# KiCad board kup-lulz.kicad_pcb (continued)
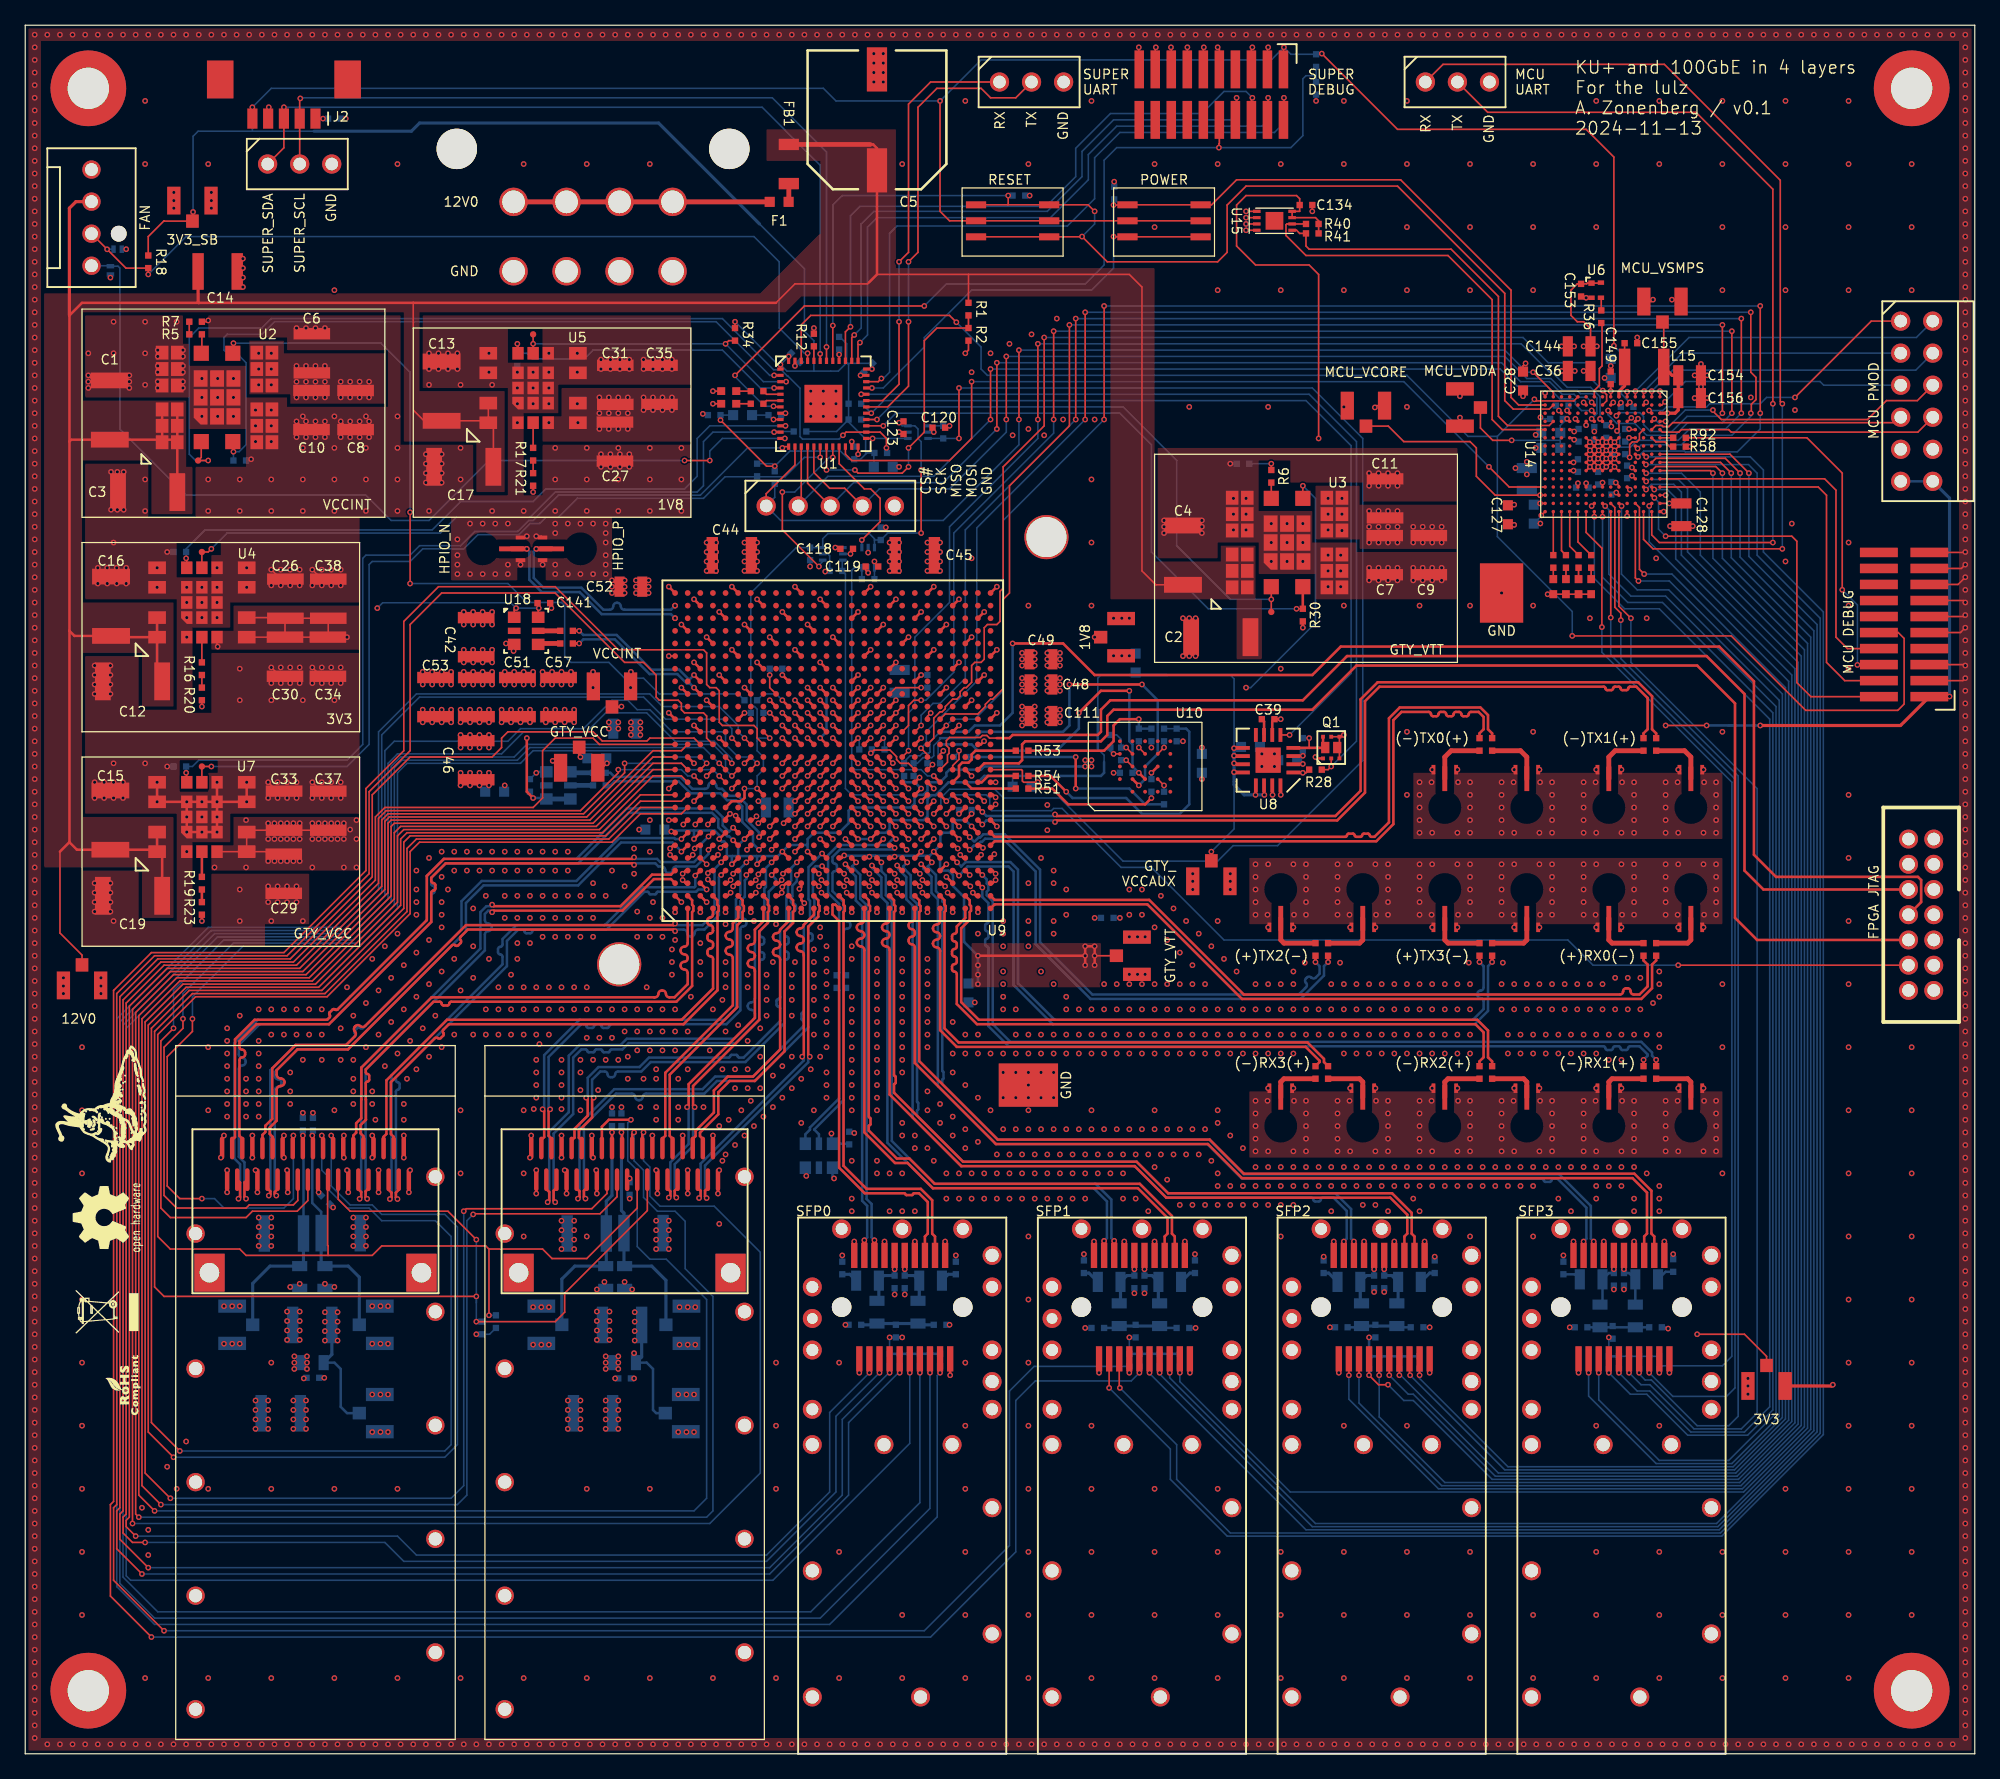
[diagram p0: board, top side]
## Routing (per net, layer and track width the routed paths; a pad name or vN(x,y) marks a point on that pad's centre or on a via; arc(x,y) is an arc through that point) (continued)
/Power Supply/1V8_EN: length 24.1
  Top w0.125: v1(39,111.75) 39.05,111.7 U5.12 ; v1(59.35,108.25) U1.4
  Bottom w0.125: v1(59.35,108.25) 58.25,108.25 55.25,111.25 45,111.25 44.31,110.56 40.19,110.56 39.75,111 R35.1 v1(39,111.75)
/Power Supply/1V8_PGOOD: length 24.1
  Top w0.125: TP4.1 v1(40.25,111.75) U5.11 ; v1(55.5,111.75) 55.75,112 R34.1 ; v1(60.3,108.75) U1.3
  Bottom w0.125: v1(40.25,111.75) v1(55.5,111.75) 58.5,108.75 v1(60.3,108.75)
/Power Supply/3V3_EN: length 55.2
  Top w0.125: U4.12 12.8,94.7 v1(12.75,94.75) ; v1(60.25,105.25) U1.10
  Bottom w0.125: v1(12.75,94.75) R25.1 12.75,95.5 14.25,97 32.25,97 34.5,99.25 40.25,99.25 41.25,100.25 52.25,100.25 53.25,101.25 53.25,104.25 54.25,105.25 v1(60.25,105.25)
/Power Supply/3V3_PGOOD: length 54.7
  Top w0.125: U4.11 TP3.1 14.5,95.25 v1(14.75,95.5) ; U1.11 v1(59.35,104.75)
  Bottom w0.125: R24.1 59.4,104.8 v1(59.35,104.75) 54.5,104.75 53.75,104 53.75,100.5 53.25,100 42,100 40,98 34.15,98 32.9,96.75 16,96.75 v1(14.75,95.5)
/Power Supply/12V0_EN: length 1
  Top w0.125: v1(23.6,129.6) J2.1
  Bottom w0.125: R39.1 v1(23.6,129.6)
/Power Supply/12V0_VMON: length 24.1
  Top w0.125: v1(70,102) 69.5,101.5 66,101.5 v1(65.75,101.75) ; R1.2 R2.1 72.25,113 71.25,112 71.25,104.75 v1(70,103.5) ; U1.19 v1(63.5,101.75)
  Bottom w0.125: v1(70,103.5) v1(70,102) ; v1(65.75,101.75) v1(63.5,101.75)
/Power Supply/A3V3_SUPER: length 2.4
  Top w0.125: U1.9 v1(59.3,105.75)
  Bottom w0.125: FB2.1 C24.1 59.25,105.75 v1(59.3,105.75)
/Power Supply/VCCINT_EN: length 58.8
  Top w0.125: v1(59.35,109.25) U1.2 ; U2.8 16.45,103.25 v1(16.5,103.2)
  Bottom w0.125: v1(59.35,109.25) 59,109.25 54.75,113.5 19.75,113.5 18.75,112.5 16,112.5 15.75,112.25 15.75,111.25 16,111 16.75,111 17.5,110.25 17.5,103.75 16.95,103.2 v1(16.5,103.2) R27.1
/Power Supply/VCCINT_PGOOD: length 76.6
  Top w0.125: v1(64.8,104.5) 65.05,104.75 U1.26 67.75,104.75 68.25,104.25 v1(68.25,103.5) ; v1(14.5,102.5) TP1.1 13.95,102.75 U2.7
  Bottom w0.125: v1(64.8,104.5) 64.5,104.2 61.6,104.2 61.4,104.4 61.4,108.23 60.43,109.2 60.4,109.2 59.91,109.69 59.31,109.69 55.25,113.75 19.5,113.75 18.75,113 13.75,113 13,112.25 13,103 13.5,102.5 v1(14.5,102.5)
/Power Supply/VCCINT_SENSE: length 65.2
  Top w0.125: U2.21 16.45,111.75 v1(16.5,111.8) ; v1(30.5,92.75) v1(30.5,98.4)
  Bottom w0.125: R10.1 56.5,84 50.25,84 49,85.25 47.5,85.25 46.25,86.5 43.25,86.5 42.75,87 42.75,91 42.5,91.25 39.75,91.25 38.25,92.75 v1(30.5,92.75) ; v1(30.5,98.4) 30.5,109.5 28.2,111.8 v1(16.5,111.8)
/FPGA support/FPGA_DONE: length 24.9
  Top w0.2: U9.AB11 v1(72,77.5)
  Bottom w0.125: v1(72,77.5) 71.5,77.5 71,78 65.75,78 65.5,78.25 65.5,93.8 65.7,94 U12.3 R90.1
/FPGA support/FPGA_DONE_3V3: length 10.2
  Top w0.125: U1.21 64.5,102.25 66.5,100.25 67,100.25 67.75,99.5 67.75,97.65 v1(66.3,96.2)
  Bottom w0.125: U12.4 v1(66.3,96.2)
/FPGA support/FPGA_FLASH_CS_N: length 27.3
  Top w0.2: v1(83.5,82.5) 85.25,84.25 v1(87.5,84.25) ; U10.C2 v1(88.25,77.75)
  Bottom w0.125: R55.1 v1(88.25,77.75) ; 72.5,80 72.34,79.84 72.34,78.66
  Bottom w0.2: v1(83.5,82.5) 83.5,81.25 81.75,79.5 75.5,79.5 75,80 72.5,80 ; v1(87.5,84.25) 87.5,80.25 87.75,80 87.75,78.25 v1(88.25,77.75)
/FPGA support/FPGA_FLASH_DQ0: length 11
  Top w0.2: R51.2 81.4,76.5 82.65,75.25 88.75,75.25 v1(89.25,75.75)
  Bottom w0.2: R45.2 v1(89.25,75.75)
/FPGA support/FPGA_FLASH_DQ1: length 18.7
  Top w0.2: v1(83.25,79) v1(83.25,76.5)
  Bottom w0.2: v1(83.25,76.5) 87.5,76.5 88.75,75.25 R46.2 ; R52.2 v1(83.25,79)
/FPGA support/FPGA_FLASH_DQ2: length 12.3
  Top w0.2: v1(88.25,82) 86.75,82 86.25,81.5 86.25,80.25 85.5,79.5 R53.2
  Bottom w0.2: v1(88.25,82) R47.2 R56.1
/FPGA support/FPGA_FLASH_DQ3: length 22.2
  Top w0.2: R54.2 81.25,77.5 v1(82.5,76.25)
  Bottom w0.125: R57.1 R48.2
  Bottom w0.2: v1(82.5,76.25) 83,75.75 87.25,75.75 88.5,74.5 91.5,74.5 92.25,75.25 92.25,81 92,81.25 R57.1
/FPGA support/FPGA_FLASH_SCK: length 33
  Top w0.2: v1(82.75,84.75) v1(88.5,84.75) ; U10.B2 v1(88.25,76.75)
  Bottom w0.125: 72.5,80.5 72.5,80.41 72,79.91 72,79.1 71.85,78.95 71.15,78.95 70.7,78.5 R50.2
  Bottom w0.2: v1(82.75,84.75) 82.75,81.5 82.25,81 75.75,81 75.25,80.5 72.5,80.5 ; v1(88.5,84.75) 89.75,83.5 89.75,79.25 88.75,78.25 88.75,77.25 v1(88.25,76.75)
/FPGA support/FPGA_INIT: length 24.3
  Top w0.2: U9.W10 v1(70,75.5)
  Bottom w0.125: 64.75,94.55 R89.1 65,93.5 65,76.5 65.5,76 U9.W10 v1(70,75.5)
/FPGA support/FPGA_INIT_3V3: length 13.7
  Top w0.125: v1(62.9,94.1) 60,97 v1(60,100) ; v1(64,102.75) U1.20
  Bottom w0.125: v1(60,100) 60.98,100 63.73,102.75 v1(64,102.75) ; v1(62.9,94.1) 62.9,94.2 63.2,94.5 U11.4
/FPGA support/FPGA_JTAG_TCK: length 97.7
  Top w0.2: J6.6 137.25,64.5 135.5,66.25 135.5,83.25 132.5,86.25 105.5,86.25 102,82.75 86.25,82.75 85.75,82.25 85.75,80.75 85.25,80.25 79.25,80.25 79,80 79,78.75 78.75,78.5 76,78.5 U9.AE12
/FPGA support/FPGA_JTAG_TDI: length 98.8
  Top w0.125: U9.AB12 73.09,78.59 73.09,79.17 73.21,79.29 73.21,79.71 73,79.92 73,80.3 73.25,80.55 75.7,80.55 75.85,80.71 76.21,80.71 76.42,80.5 77,80.5
  Top w0.2: J6.10 137.75,68.5 136.25,70 136.25,84 133.25,87 104.75,87 101.25,83.5 86,83.5 85.25,82.75 85.25,81 85,80.75 78.25,80.75 78,80.5 77,80.5
/FPGA support/FPGA_JTAG_TDO: length 109
  Top w0.2: J6.8 150.25,67.5 150.25,69.25 150,69.5 138.75,69.5 137,71.25 137,85 134.25,87.75 104.25,87.75 102,85.5 84.75,85.5 82.25,88 v1(78.25,88)
  Bottom w0.125: 69.65,78.62 70.12,79.1 70.91,79.1 71.11,79.3 71.6,79.3 71.7,79.4 71.7,80.2 72.5,81
  Bottom w0.2: 72.5,81 74.75,81 75.25,81.5 77.25,81.5 78.25,82.5 v1(78.25,88)
/FPGA support/FPGA_JTAG_TMS: length 83.4
  Top w0.125: v1(131,62.5) J6.4
  Top w0.2: U9.AB10 v1(73,75.5)
  Bottom w0.125: v1(73,75.5) 73.5,76 76.15,76 76.44,75.71 76.44,74.91 76.6,74.75 81.33,74.75 81.5,74.92 82.17,74.92 86.85,70.25 89.25,70.25 95,64.5 122.25,64.5 124.25,62.5 v1(131,62.5)
/FPGA support/FPGA_RESET_N: length 107.2
  Top w0.125: v1(74,104.25) v1(74,108.25)
  Top w0.2: U9.AB9 v1(72,74.5)
  Bottom w0.125: U13.3 R91.1 v1(74,104.25) ; v1(72,74.5) 72.56,75.06 72.56,75.76 73.25,76.45 76.83,76.45 77.53,75.75 82,75.75 87,70.75 94.5,70.75 95.72,71.97 99.25,71.97 106,78.72 106,104.25 102,108.25 v1(74,108.25)
/FPGA support/FPGA_RESET_N_3V3: length 3.3
  Top w0.125: U1.25 v1(67.15,104.25)
  Bottom w0.125: v1(67.15,104.25) U13.4
/FPGA support/GTY_VCC: length 80.8
  Top w0.125: 17.7,73.2 C33.1 C37.1 ; U7.7 U7.6 ; U7.6 20.29,71.5 ; U7.6 U7.5
  Top w0.2: 43.9,79.53 43.9,79.1 v1(44,79) ; U9.W7 v1(70,72.5) ; U9.AA7 v1(71,72.5) ; U9.L7 v1(61,72.5) ; U9.AC7 v1(74,72.5) ; U9.J7 v1(59,72.5) ; U9.N7 v1(64,72.5)
  In2.Cu w0.125: v1(25.75,73.25) 25.75,74.75 26.75,75.75 37,75.75 v1(38,76.75) 38.25,77 38.25,78.5 39.25,79.5 58,79.5 59,78.5 59,74.25 59.47,73.78 59.47,73.03 U9.J7 ; 68.78,74.03 68.5,73.75 68.5,73.38 68.12,73 64.25,73
  In2.Cu w0.2: 61,73 U9.J7 v1(59,72.5) ; 61,73 64,73 ; 61,73 v1(61,72.5) ; 64,73 v1(64,72.5) ; 64,73 64.25,73 ; v1(44,79) 44,79.5 ; v1(74,72.5) U9.AC7 U9.AA7 v1(71,72.5) v1(70,72.5) U9.W7 69.5,73.67 69.15,74.03 68.78,74.03
  Bottom w0.125: v1(38,76.75) 37.95,76.7 C162.1
  vias: v1(15,70.25) v1(17.5,74) v1(17.5,70.25) v1(19.25,73.75) v1(19.25,72.5) v1(19.25,70.75) v1(19.75,73.75) v1(19.75,72.5) v1(19.75,70.75) v1(20.25,73.75) v1(20.25,72.5) v1(20.25,70.75) v1(20.75,73.75) v1(20.75,72.5) v1(20.75,70.75) v1(21.25,73.75) v1(21.25,72.5) v1(21.25,70.75) v1(21.75,73.75) v1(21.75,72.5) v1(21.75,70.75) v1(22.75,73.75) v1(22.75,72.5) v1(22.75,70.25) v1(23.25,73.75) v1(23.25,72.5) v1(23.75,73.75) v1(23.75,72.5) v1(24.25,73.75) v1(24.25,72.5) v1(24.75,73.75) v1(24.75,72.5) v1(25.25,73.75) v1(25.25,72.5) v1(25.25,70.25) v1(26.25,74) v1(26.25,72.5) v1(26.25,70.25)
/FPGA support/GTY_VCCAUX: length 66.3
  Top w0.125: U8.9 95.83,79.72 v1(95.8,79.7) ; v1(95.8,79.1) 95.83,79.08 U8.10 ; U8.11 95.88,78.42 v1(95.8,78.5) ; U8.14 98.17,76.03 v1(98.2,76) ; TP12.1 v1(94,71.5) ; v1(97.5,76) 97.53,76.03 U8.13 ; U8.12 95.83,77.78 v1(95.8,77.8)
  Top w0.2: U9.R7 v1(66,72.5) ; U9.U7 v1(67,72.5)
  Bottom w0.125: 85.5,78.6 85.5,79.15 85,79.65 ; C160.1 78.25,77.45 78.3,77.5 ; 95.8,77.05 95.8,73.3 v1(94,71.5) ; v1(95.8,79.7) 95.8,85.2 95.5,85.5 90.5,85.5 ; 85,82.75 85,85.25 85.25,85.5 87.5,85.5
  Bottom w0.2: 85.5,78.6 85.5,77.75 85.25,77.5 76,77.5 75.5,77 73.17,77 72.15,75.97 71.8,75.97 71.5,75.67 71.5,74.3 71.2,74 68.75,74 68.5,73.75 68.5,73.28 68.22,73 U9.U7 v1(67,72.5) v1(66,72.5) ; 90.5,85.5 87.5,85.5 ; 85,82.75 85,79.65
  Bottom w0.25: v1(95.8,79.7) 95.8,76.8 96.6,76 v1(98.2,76)
/GTY_VTT: length 174.2
  Top w0.125: TP14.1 v1(84.75,63.25)
  Top w0.2: v1(64.9,71.2) 64.7,71 U9.P5 ; v1(51.2,73.1) 51.3,73 U9.A7 ; v1(84,62.5) v1(84,64) v1(84.75,64) v1(84.75,62.5) ; U9.F5 v1(56,70.5) ; U9.Y5 v1(71,71.5) ; U9.C7 v1(53,72.5) ; U9.M5 v1(62,71.5) ; v1(68.9,71.1) 68.8,71 U9.V5 ; U9.AE7 v1(75,73.5) ; U9.K5 v1(60,71.5) ; U9.AD8 v1(75,74.5) ; U9.E7 v1(55,72.5) ; U9.H5 v1(58,70.5) ; v1(66.9,71.1) 66.8,71 U9.T5 ; U9.AB5 v1(72,71.5) ; v1(75.5,63.25) v1(84,63.25) ; U9.G7 v1(57,72.5)
  In2.Cu w0.125: 94.75,75.25 94.31,74.81 84.06,74.81 84,74.75 ; 97.38,96.38 95.38,96.38 94.75,95.75 94.75,93.5 ; v1(103.25,99.5) v1(104.35,99.5)
  In2.Cu w0.2: v1(84,78.25) 84,70.25 84.75,69.5 v1(84.75,64) ; 97.38,96.38 98,97 v1(103.25,97) v1(103.25,99.5) ; v1(112.25,97.25) 104.45,97.25 104.35,97.35 ; 104.35,97.35 v1(104.35,96.95) ; 104.35,97.35 v1(104.35,99.5) ; v1(112.25,96) v1(106.5,96) v1(106.5,97.25) v1(106.5,98.5) v1(108.75,98.5) ; 94.75,75.25 94.75,93.5 ; v1(84,78.75) v1(84.5,78.75)
  Bottom w0.125: v1(55,72.5) 55.1,72.5 ; R11.2 v1(84.75,66.25)
  Bottom w0.2: 67.38,71.17 66.97,71.17 v1(66.9,71.1) ; 67.38,71.17 70.92,71.17 ; 67.38,71.17 64.92,71.17 v1(64.9,71.2) ; 70.92,71.17 71,71.25 v1(71,71.5) ; 70.92,71.17 71.67,71.17 v1(72,71.5) ; 57.95,71.15 59.65,71.15 v1(60,71.5) 60.53,72.03 61.92,72.03 62,72.1 ; 57.95,71.15 58,71.1 v1(58,70.5) ; 57.95,71.15 56.45,71.15 ; v1(75,73.5) U9.AD8 ; U9.AD8 73.75,74 73.5,73.75 73.5,73.25 73.25,73 72.75,73 72.53,72.78 72.53,72.03 v1(72,71.5) ; U9.AD8 v1(75,74.5) ; 56.05,71.15 56,71.1 v1(56,70.5) ; 56.05,71.15 55.65,71.15 55.6,71.2 55.6,72.1 55.4,72.3 55.2,72.3 v1(55,72.5) 55,72.8 54.62,73.17 52.97,73.17 ; 56.05,71.15 56.45,71.15 ; v1(57,72.5) 56.5,72 56.5,71.2 56.45,71.15 ; v1(62,71.5) 62,72.1 ; 62,72.1 62,72.5 62.5,73 64.5,73 65.25,73.75 65.25,74.75 65.5,75 70.17,75 70.47,75.3 70.47,75.78 70.7,76 71.17,76 71.5,76.33 71.5,76.75 71.75,77 72.5,77 73,77.5 73,77.75 73.25,78 75.75,78 76,78.25 v1(84,78.25) v1(84,78.75) ; v1(75.5,61) v1(75.5,63.25) 74.4,64.35 74.4,67.9 73.53,68.78 73.53,69.65 73.17,70 72.75,70 72.5,70.25 U9.AB5 v1(72,71.5) ; v1(51.2,73.1) 51.28,73.17 52.97,73.17 ; 52.97,73.17 53,73.15 v1(53,72.5) ; v1(84.5,78.75) v1(84.5,78.25)
  vias: v1(75.5,62.5) v1(75.5,61.75) v1(103.25,98.25) v1(104.35,98.25) v1(107.25,98.5) v1(107.25,97.25) v1(107.25,96) v1(108,98.5) v1(108,97.25) v1(108,96) v1(108.75,97.25) v1(108.75,96) v1(110,97.25) v1(110,96) v1(110.75,97.25) v1(110.75,96) v1(111.5,97.25) v1(111.5,96)
/HP IOs/HPIO1_N: length 16.6
  Top w0.38: J40.1 v1(39.75,95.5)
  Bottom w0.2: v1(51.5,90) 51.17,90.33 45.68,90.33 43.93,92.08 40.93,92.08 39.95,93.05 39.95,95.3 v1(39.75,95.5)
/HP IOs/HPIO1_P: length 16.6
  Top w0.38: J14.1 v1(40.5,95.5)
  Bottom w0.2: v1(51.5,91) 51.17,90.67 47.47,90.67 arc(47.28,90.76) 47.2,90.95 arc(47.12,91.14) 46.92,91.22 46.87,91.22 arc(46.68,91.14) 46.6,90.95 arc(46.52,90.76) 46.33,90.67 45.82,90.67 44.07,92.42 41.07,92.42 40.3,93.2 40.3,95.3 v1(40.5,95.5)
/HP IOs/RC3_N: length 1.8
  Top w0.38: C143.1 U18.5
/HP IOs/RC3_P: length 1.7
  Top w0.38: C142.1 40.73,88
/HP IOs/REFCLK3_N: length 12
  Top w0.2: C143.2 v1(43.9,89) ; U9.C19 v1(53,85.5)
  Bottom w0.2: v1(43.9,89) 44.22,88.67 46.87,88.67 49.62,85.92 51.82,85.92 52.57,85.17 52.67,85.17 v1(53,85.5)
/HP IOs/REFCLK3_P: length 12
  Top w0.2: C142.2 v1(43.9,88) ; U9.C18 v1(53,84.5)
  Bottom w0.2: v1(43.9,88) 44.22,88.33 46.73,88.33 49.48,85.58 51.68,85.58 52.43,84.83 52.67,84.83 v1(53,84.5)
/Management/I2C_SCL: length 34.9
  Top w0.125: R40.1 U15.6 99.97,121.25 99.91,121.19 99.91,120.34 101.5,118.75 112.75,118.75 116.25,115.25 116.25,105.75 117.05,104.95 U14.R5
/Management/I2C_SDA: length 33.4
  Top w0.125: U15.5 100.75,120.75 101,120.5 R41.1 101.5,119.5 101.75,119.25 113,119.25 116.75,115.5 116.75,106 117.47,105.28 120.78,105.28 U14.P4
/Management/MCU_BOOT0: length 3.2
  Top w0.125: U14.C5 127.93,104.62 127.93,104.17 127.73,103.97 127.36,103.97 127.15,103.77 v1(127.15,102.75)
  Bottom w0.125: 126.9,103 v1(127.15,102.75)
/Management/MCU_CLK_25MHZ: length 5.9
  Top w0.125: U14.J1 124.35,108.05 124.75,108.45 124.75,109.79 124.96,110 124.96,113.24
/Management/MCU_JTAG_TCK: length 31.5
  Top w0.125: J4.4 144.19,85.06 142.75,86.5 142.75,99.75 142.1,100.4 U14.A12
/Management/MCU_JTAG_TDI: length 29.7
  Top w0.125: U14.A11 142.6,101.05 143.5,100.15 143.5,88.5 144.41,87.59 J4.8
/Management/MCU_JTAG_TDO: length 31
  Top w0.125: v1(145.2,86.3) 145.22,86.33 J4.6 ; R92.1 141.2,104.3 144,101.5 v1(144,92.25)
  Bottom w0.125: v1(144,92.25) 145.2,91.05 v1(145.2,86.3)
/Management/MCU_JTAG_TMS: length 32.4
  Top w0.125: J4.2 141.51,83.78 140.4,84.9 140.4,96.1 140,96.5 v1(130,96.5) ; U14.B13 v1(129.11,99.54)
  Bottom w0.125: v1(130,96.5) 129.44,97.06 129.44,99.21 v1(129.11,99.54)
/Management/MCU_JTAG_TRST: length 2
  Top w0.125: R58.1 130.32,103.6 129.95,103.97 129.22,103.97 U14.B6
/Management/MCU_LED_0: length 3.9
  Top w0.125: R59.1 123.05,96.05 U14.L15
/Management/MCU_LED_1: length 3.7
  Top w0.125: U14.M15 122.4,95.7 R93.1
/Management/MCU_LED_2: length 3.6
  Top w0.125: R98.1 121.75,95.35 U14.N15
/Management/MCU_LED_3: length 3.4
  Top w0.125: U14.P15 R99.1
/Management/MCU_PMOD_DQ0: length 23.2
  Top w0.125: U14.B3 v1(128.69,106.46) ; J38.1 146.3,113.55 v1(140.25,107.5)
  Bottom w0.125: v1(140.25,107.5) 138,107.5 137.5,107 133.5,107 133.25,106.75 130.07,106.75 129.78,106.46 v1(128.69,106.46)
/Management/MCU_PMOD_DQ1: length 22
  Top w0.125: v1(128.3,108) 128.25,107.95 U14.C1
  Bottom w0.125: v1(128.3,108) 131.31,111.01 J38.2
/Management/MCU_PMOD_DQ2: length 20
  Top w0.125: U14.A2 129.7,106.9 v1(129.95,107.15)
  Bottom w0.125: J38.3 142.53,108.47 142.24,108.76 131.56,108.76 v1(129.95,107.15)
/Management/MCU_PMOD_DQ3: length 19.6
  Top w0.125: 148.2,105.5 130.56,105.5 130.25,105.19 129.81,105.19 129.72,105.28 129.22,105.28 U14.B5
/Management/MCU_PMOD_DQ4: length 26.3
  Top w0.125: U14.D1 v1(127.6,108)
  Bottom w0.125: v1(127.6,108) 131.85,112.25 149.87,112.25 J38.7
/Management/MCU_PMOD_DQ5: length 24
  Top w0.125: U14.B1 v1(128.9,108)
  Bottom w0.125: v1(128.9,108) 130.56,109.66 149.82,109.66 J38.8
/Management/MCU_PMOD_DQ6: length 24.6
  Top w0.125: v1(133.75,106.5) 133.75,106.42 134.42,105.75 146,105.75 147.5,107.25 149.95,107.25 J38.9 ; U14.B4 v1(129.11,105.81)
  Bottom w0.125: v1(133.75,106.5) 131.56,106.5 130.25,105.19 129.73,105.19 v1(129.11,105.81)
/Management/MCU_PMOD_DQ7: length 22.4
  Top w0.125: J38.10 149.99,104.75 135.2,104.75 135,104.95 131.25,104.95 131.05,104.75 129.75,104.75 U14.A5
/Management/MCU_READY: length 64.9
  Top w0.125: v1(75,108.75) 75,104.25 73.25,102.5 65.5,102.5 65,103 U1.22 ; v1(116,102) 117.6,100.4 U14.R12
  Bottom w0.125: v1(75,108.75) 109.25,108.75 v1(116,102)
/Management/MCU_RST_N: length 125.7
  Top w0.125: U14.L1 122.72,107.22 119.72,107.22 v1(119.6,107.35) ; v1(122.6,88.6) 135.2,88.6 141.1,82.7 148.4,82.7 148.9,83.2 148.9,88.4 148.44,88.86 J4.10 ; v1(73.79,113.46) 73.25,114 62.25,114 61.5,113.25 U1.46
  Bottom w0.125: 116.66,104.41 116.66,96.47 122.6,90.53 v1(122.6,88.6) ; 116.66,104.41 v1(119.6,107.35) ; 116.66,104.41 114.34,104.41 109.5,109.25 76.25,109.25 75.75,109.75 75.75,111.5 v1(73.79,113.46)
/Management/MCU_UART_RX: length 75.3
  Top w0.125: J39.1 112.36,133.9 129.9,133.9 139.09,124.71 139.09,107.16 v1(139.25,107) ; U14.C15 128.25,96.25 129,95.5 v1(139.25,95.5)
  Bottom w0.125: v1(139.25,95.5) v1(139.25,107)
/Management/MCU_UART_TX: length 68.2
  Top w0.125: v1(138.5,107) 138.5,124 132.4,130.1 115.9,130.1 J39.2 ; v1(138.5,96) 129.5,96 128.9,96.6 U14.B15
  Bottom w0.125: v1(138.5,96) v1(138.5,107)
/Management/MCU_VDDA: length 11.3
  Top w0.125: v1(117.8,104.1) 116.3,104.1 115.32,105.08 115.32,106.7 ; U14.M4 v1(122.19,105.81)
  Bottom w0.125: 121.65,103.4 121.65,104.1 ; 121.65,104.1 v1(117.8,104.1) ; 121.65,104.1 121.65,105.27 v1(122.19,105.81)
/Management/MGMT_SPI_CS_N: length 112.9
  Top w0.125: v1(137.5,106.25) v1(137.5,114.75) ; v1(85.5,105.75) v1(85.5,114.75) ; U14.D8 v1(127.81,102.79)
  Top w0.2: U9.AB15 v1(73,81.5)
  Bottom w0.125: v1(73,81.5) 73.5,82 75.25,82 77.5,84.25 77.5,97.75 v1(85.5,105.75) ; v1(85.5,114.75) v1(137.5,114.75) ; v1(137.5,106.25) 137.5,105 135.69,103.19 131.56,103.19 131.5,103.25 128.27,103.25 v1(127.81,102.79)
/Management/MGMT_SPI_DQ0: length 111.5
  Top w0.125: v1(83.25,105.75) v1(83.25,113.75) ; U14.F4 126.3,104.99 v1(126.15,104.84) ; v1(136,106.25) v1(136,113.75) ; U9.Y15 v1(71,81.5)
  Bottom w0.125: v1(83.25,105.75) 74.5,97 74.5,85.25 72.5,83.25 71.94,83.25 71,82.31 v1(71,81.5) ; v1(83.25,113.75) v1(136,113.75) ; v1(136,106.25) 134.75,105 131.9,105 131,104.1 127.75,104.1 127.21,103.56 126.36,103.56 126.36,104.63 v1(126.15,104.84)
/Management/MGMT_SPI_DQ1: length 106.2
  Top w0.125: U9.AB16 72.91,82.41 75.5,82.41 76.09,83 76.09,83.17 76.5,83.59 76.67,83.59 77.5,84.42 77.5,91.5 78,92 78,100.5 82.75,105.25 v1(82.75,113.25) ; v1(134.5,113.25) v1(134.5,106.25) ; U14.F3 v1(126.1,106.05)
  Bottom w0.125: v1(134.5,106.25) 134.25,106 131.7,106 130.5,104.8 128.8,104.8 128.25,105.35 128.25,106 127.96,106.29 126.34,106.29 v1(126.1,106.05) ; v1(82.75,113.25) v1(134.5,113.25)
/Management/MGMT_SPI_DQ2: length 109.4
  Top w0.125: v1(71,83.5) 70.42,83.5 70,83.08 70,81.5 U9.W15 ; v1(81.5,105.75) v1(81.5,112.75) ; U14.G3 v1(125.44,106.46) ; v1(135.25,112.75) v1(135.25,106.25)
  Bottom w0.125: v1(125.44,106.46) 125.44,106.13 126.13,105.44 127.56,105.44 128.5,104.5 130.75,104.5 131.75,105.5 134.5,105.5 v1(135.25,106.25) ; v1(81.5,112.75) v1(135.25,112.75) ; v1(81.5,105.75) 81.5,104.67 73.59,96.75 73.59,85.71 71.37,83.5 v1(71,83.5)
/Management/MGMT_SPI_DQ3: length 85.5
  Top w0.125: v1(80.25,105.75) v1(80.25,111.75) ; U14.H4 v1(124.8,105.8) ; U9.W13 v1(70,79.5)
  Bottom w0.125: v1(124.8,105.8) 124.8,105.8 124.8,107.55 124.05,108.3 122.2,108.3 121,109.5 120.8,109.5 118.55,111.75 v1(80.25,111.75) ; v1(70,79.5) 70,82.5 70.5,83 70.5,88.5 73.25,91.25 73.25,97.25 80.25,104.25 v1(80.25,105.75)
/Management/MGMT_SPI_DQS: length 112.5
  Top w0.125: v1(84,105.75) v1(84,114.25) ; U9.AA13 71.5,79.18 v1(70.99,79.69) ; v1(136.75,106.25) 136.79,106.29 136.79,106.96 137.16,107.33 137.16,109.09 136.75,109.5 v1(136.75,114.25) ; 127.6,103.63 v1(127.78,103.45)
  Bottom w0.125: v1(84,114.25) v1(136.75,114.25) ; v1(136.75,106.25) 136.75,106 135.25,104.5 132,104.5 131.25,103.75 128.07,103.75 v1(127.78,103.45) ; v1(84,105.75) 75.41,97.16 75.41,86.51 75.4,86.5 75.4,85 71.41,81.01 71.41,80.12 v1(70.99,79.69)
/Management/MGMT_SPI_SCK: length 85.2
  Top w0.125: v1(80.75,112.25) 80.75,105.25 77.5,102 77.5,92.38 77.25,92.13 77.25,89.75 77,89.5 76.25,89.5 76,89.25 76,86.75 75.75,86.5 75.25,86.5 75,86.25 75,84.92 74.58,84.5 74.42,84.5 74.09,84.17 74.09,83.84 73.84,83.59 73.5,83.59 72.91,83 72.91,82.83 72.67,82.59 72.5,82.59 72,82.08 72,80.5 U9.AA14 ; v1(125.03,108.04) 125.03,108.03 125.32,107.72 125.32,107.22 U14.H2
  Bottom w0.125: v1(80.75,112.25) 118.7,112.25 120.7,110.25 123.75,110.25 124,110 124,109.07 v1(125.03,108.04)
/Management/QSFP0_I2C_SEL_N: length 87.7
  Top w0.125: J15.8 21.6,43.85 21.25,43.5 17.75,43.5 17.5,43.25 12,43.25 11,44.25 11,56 12.5,57.5 v1(12.5,58.25) ; U9.E12 v1(55,78.5)
  Bottom w0.125: v1(12.5,58.25) 12.5,60.25 16.5,64.25 26.25,64.25 29.25,67.25 29.25,78.15 29.85,78.75 39,78.75 40,79.75 53.75,79.75 v1(55,78.5)
/Management/QSFP0_INT_N: length 142.7
  Top w0.125: U9.B10 52,75.5 48.75,75.5 46,72.75 30.5,72.75 30,72.25 30,67 23.5,60.5 13,60.5 10,57.5 10,26.25 v1(12.25,24) ; J15.28 23.6,48.9 v1(23.5,49)
  Bottom w0.125: v1(23.5,49) 23.5,46.25 24,45.75 24,44.75 25.5,43.25 27.25,43.25 28.25,42.25 32.5,42.25 33.75,41 33.75,24.5 33.25,24 v1(12.25,24)
/Management/QSFP0_LPMODE: length 89.1
  Top w0.125: U9.C12 v1(54,78.5) ; J15.31 21.2,48.95 v1(21.25,49) ; v1(14,44) 12.25,44 11.25,45 11.25,55.25 13.25,57.25 v1(13.25,58.25)
  Bottom w0.125: v1(54,78.5) 53.5,79 50.75,79 50.25,79.5 40.25,79.5 39.25,78.5 30.25,78.5 29.5,77.75 29.5,67 26.5,64 17.25,64 13.25,60 v1(13.25,58.25) ; v1(14,44) 15,44 15.75,43.25 20.5,43.25 21.25,44 v1(21.25,49)
/Management/QSFP0_PRESENT_N: length 144
  Top w0.125: v1(11.75,23.5) 9.75,25.5 9.75,57.75 12.75,60.75 23.25,60.75 29.75,67.25 29.75,72.5 30.25,73 45.75,73 48.75,76 U9.A10 ; J15.27 24.4,48.85 v1(24.25,49)
  Bottom w0.125: v1(11.75,23.5) 33.25,23.5 34.25,24.5 34.25,41.75 33.25,42.75 28.25,42.75 27.5,43.5 25.75,43.5 24.25,45 v1(24.25,49)
/Management/QSFP0_RST_N: length 92.8
  Top w0.125: v1(11.75,57.5) 10.75,56.5 10.75,43.25 11.5,42.5 17.5,42.5 18,43 21.55,43 22.4,43.85 J15.9 ; U9.F12 v1(56,77.5)
  Bottom w0.125: v1(56,77.5) 55.5,78 55.5,79 54.5,80 39.75,80 38.75,79 29.75,79 29,78.25 29,67.5 26,64.5 15.75,64.5 11.75,60.5 v1(11.75,57.5)
/Management/QSFP1_I2C_SEL_N: length 151.4
  Top w0.125: v1(11.5,20.25) 9.5,22.25 9.5,58 12.5,61 23,61 29.5,67.5 29.5,72.75 30,73.25 45.5,73.25 49.75,77.5 52,77.5 U9.B11 ; v1(34.75,43) 34.95,43.2 44.9,43.2 46.1,44.4 J16.8
  Bottom w0.125: v1(34.75,43) 34.75,21.25 33.75,20.25 v1(11.5,20.25)
/Management/QSFP1_INT_N: length 174.9
  Top w0.125: v1(9,18.75) 8.75,19 8.75,58.75 11.75,61.75 22.25,61.75 28.75,68.25 28.75,73.75 29,74 44.75,74 49.75,79 U9.A13
  Top w0.2: v1(48.25,49.25) 48.1,49.1 J16.28
  Bottom w0.125: v1(9,18.75) 54,18.75 54.5,19.25 54.5,36.25 52.3,38.45 52.3,42.2 51.5,43 50.1,43 49,44.1 49,46.25 48.25,47 v1(48.25,49.25)
/Management/QSFP1_LPMODE: length 176.8
  Top w0.125: U9.B12 52,78.5 49.75,78.5 45,73.75 29.25,73.75 29,73.5 29,68 22.5,61.5 12,61.5 9,58.5 9,20.5 v1(10.25,19.25)
  Top w0.2: J16.31 45.7,49.7 46.25,50.25 v1(48,50.25)
  Bottom w0.125: v1(48,50.25) 47.75,50 47.75,47 48.5,46.25 48.5,40.2 49.5,39.2 50.8,39.2 54,36 54,20.25 53,19.25 v1(10.25,19.25)
/Management/QSFP1_PRESENT_N: length 182.6
  Top w0.125: U9.B14 52,79.5 49.75,79.5 44.5,74.25 28.85,74.25 28.5,73.9 28.5,68.5 22,62 11.5,62 8.5,59 v1(8.5,18.25)
  Top w0.2: J16.27 48.9,49.15 v1(49,49.25)
  Bottom w0.125: v1(49,49.25) 49,47 49.5,46.5 49.5,44.2 50.3,43.4 54.6,43.4 58.25,39.75 58.25,22.25 54.25,18.25 v1(8.5,18.25)
/Management/QSFP1_RST_N: length 153
  Top w0.125: v1(10.75,19.75) 9.25,21.25 9.25,58.25 12.25,61.25 22.75,61.25 29.25,67.75 29.25,73 29.75,73.5 45.25,73.5 49.75,78 U9.A12 ; J16.9 46.9,44.15 45.55,42.8 35.55,42.8 v1(35.5,42.75)
  Bottom w0.125: v1(35.5,42.75) 35,42.25 35,20.5 34.25,19.75 v1(10.75,19.75)
/Management/QSFP_I2C_SCL: length 123.4
  Top w0.125: 24,39.5 27.5,39.5 28.25,40.25 36.5,40.25 36.75,40 ; 24,39.5 24,40.25 23.96,40.29 23.96,45.46 ; 24,39.5 17.5,39.5 17,40 11.5,40 10.5,41 10.5,57 13.5,60 23.92,60 30.5,66.58 30.5,71.5 31.25,72.25 46.5,72.25 48.75,74.5 52,74.5 U9.B9 ; 36.75,40 v1(36.75,34.75) ; 36.75,40 41,40 41.75,39.25 44.5,39.25 48.5,43.25 J16.11
  Bottom w0.125: R42.1 v1(36.75,34.75)
/Management/QSFP_I2C_SDA: length 138.9
  Top w0.125: v1(35.75,40.75) 33.5,43 25.75,43 24.8,43.95 J15.12 ; v1(35.75,36.25) 11,36.25 10.25,37 10.25,57.25 13.25,60.25 23.75,60.25 30.25,66.75 30.25,71.75 31,72.5 46.25,72.5 48.75,75 U9.A9 ; J16.12 49.3,43.05 42.75,36.5 42.75,35 42,34.25 v1(35.75,34.25)
  Bottom w0.125: 35.75,35.75 v1(35.75,40.75) ; 35.75,35.75 v1(35.75,34.25) ; 35.75,35.75 v1(35.75,36.25)
/Management/SFP0_MOD_ABS: length 184.1
  Top w0.125: J11.6 v1(70.1,30.2) ; U9.E13 v1(56,78.5)
  Bottom w0.125: v1(56,78.5) 56,78.85 54.6,80.25 51.5,80.25 49.25,82.5 46,82.5 44.5,81 39.5,81 37.75,79.25 29.5,79.25 28.75,78.5 28.75,67.75 25.75,64.75 15.25,64.75 8,57.5 8,14.1 8.35,13.75 59.25,13.75 70.1,24.6 v1(70.1,30.2)
/Management/SFP0_RS0: length 194.4
  Top w0.125: U9.G12 v1(58,78.5)
  Top w0.2: J11.7 v1(70.9,30.2)
  Bottom w0.125: v1(58,78.5) 57.5,79 56.5,79 55.5,80 55.5,80.75 55.25,81 51.25,81 49.5,82.75 48.5,82.75 47.75,83.5 46.5,83.5 44.25,81.25 39.25,81.25 38.25,80.25 29.25,80.25 28.5,79.5 28.5,68 25.5,65 15,65 7.75,57.75 7.75,14 10.5,11.25 62.25,11.25 70.9,19.9 v1(70.9,30.2)
  Bottom w0.2: R74.2 v1(70.9,30.2)
/Management/SFP0_RS1: length 198.1
  Top w0.125: U9.G14 v1(57,80.5)
  Top w0.2: J11.9 v1(72.5,30.2)
  Bottom w0.125: v1(57,80.5) 56.5,81 56.5,81.5 55,83 50.5,83 49.5,84 31,84 28,81 28,68.5 25,65.5 14.5,65.5 7.25,58.25 7.25,13.25 10.25,10.25 63.75,10.25 72.28,18.78 72.28,29.97 v1(72.5,30.2)
  Bottom w0.2: R75.2 v1(72.5,30.2)
/Management/SFP0_RX_LOS: length 194.3
  Top w0.125: J11.8 v1(71.7,30.2) ; U9.F14 v1(56,80.5)
  Bottom w0.125: v1(71.7,30.2) 71.7,19.45 63,10.75 10.25,10.75 7.5,13.5 7.5,58 14.75,65.25 25.25,65.25 28.25,68.25 28.25,80.75 31.25,83.75 49,83.75 50.75,82 55.25,82 56,81.25 v1(56,80.5)